# Altium PCB LimeSDR-X3_1v0.PcbDoc (part 5 of 25) (continued)
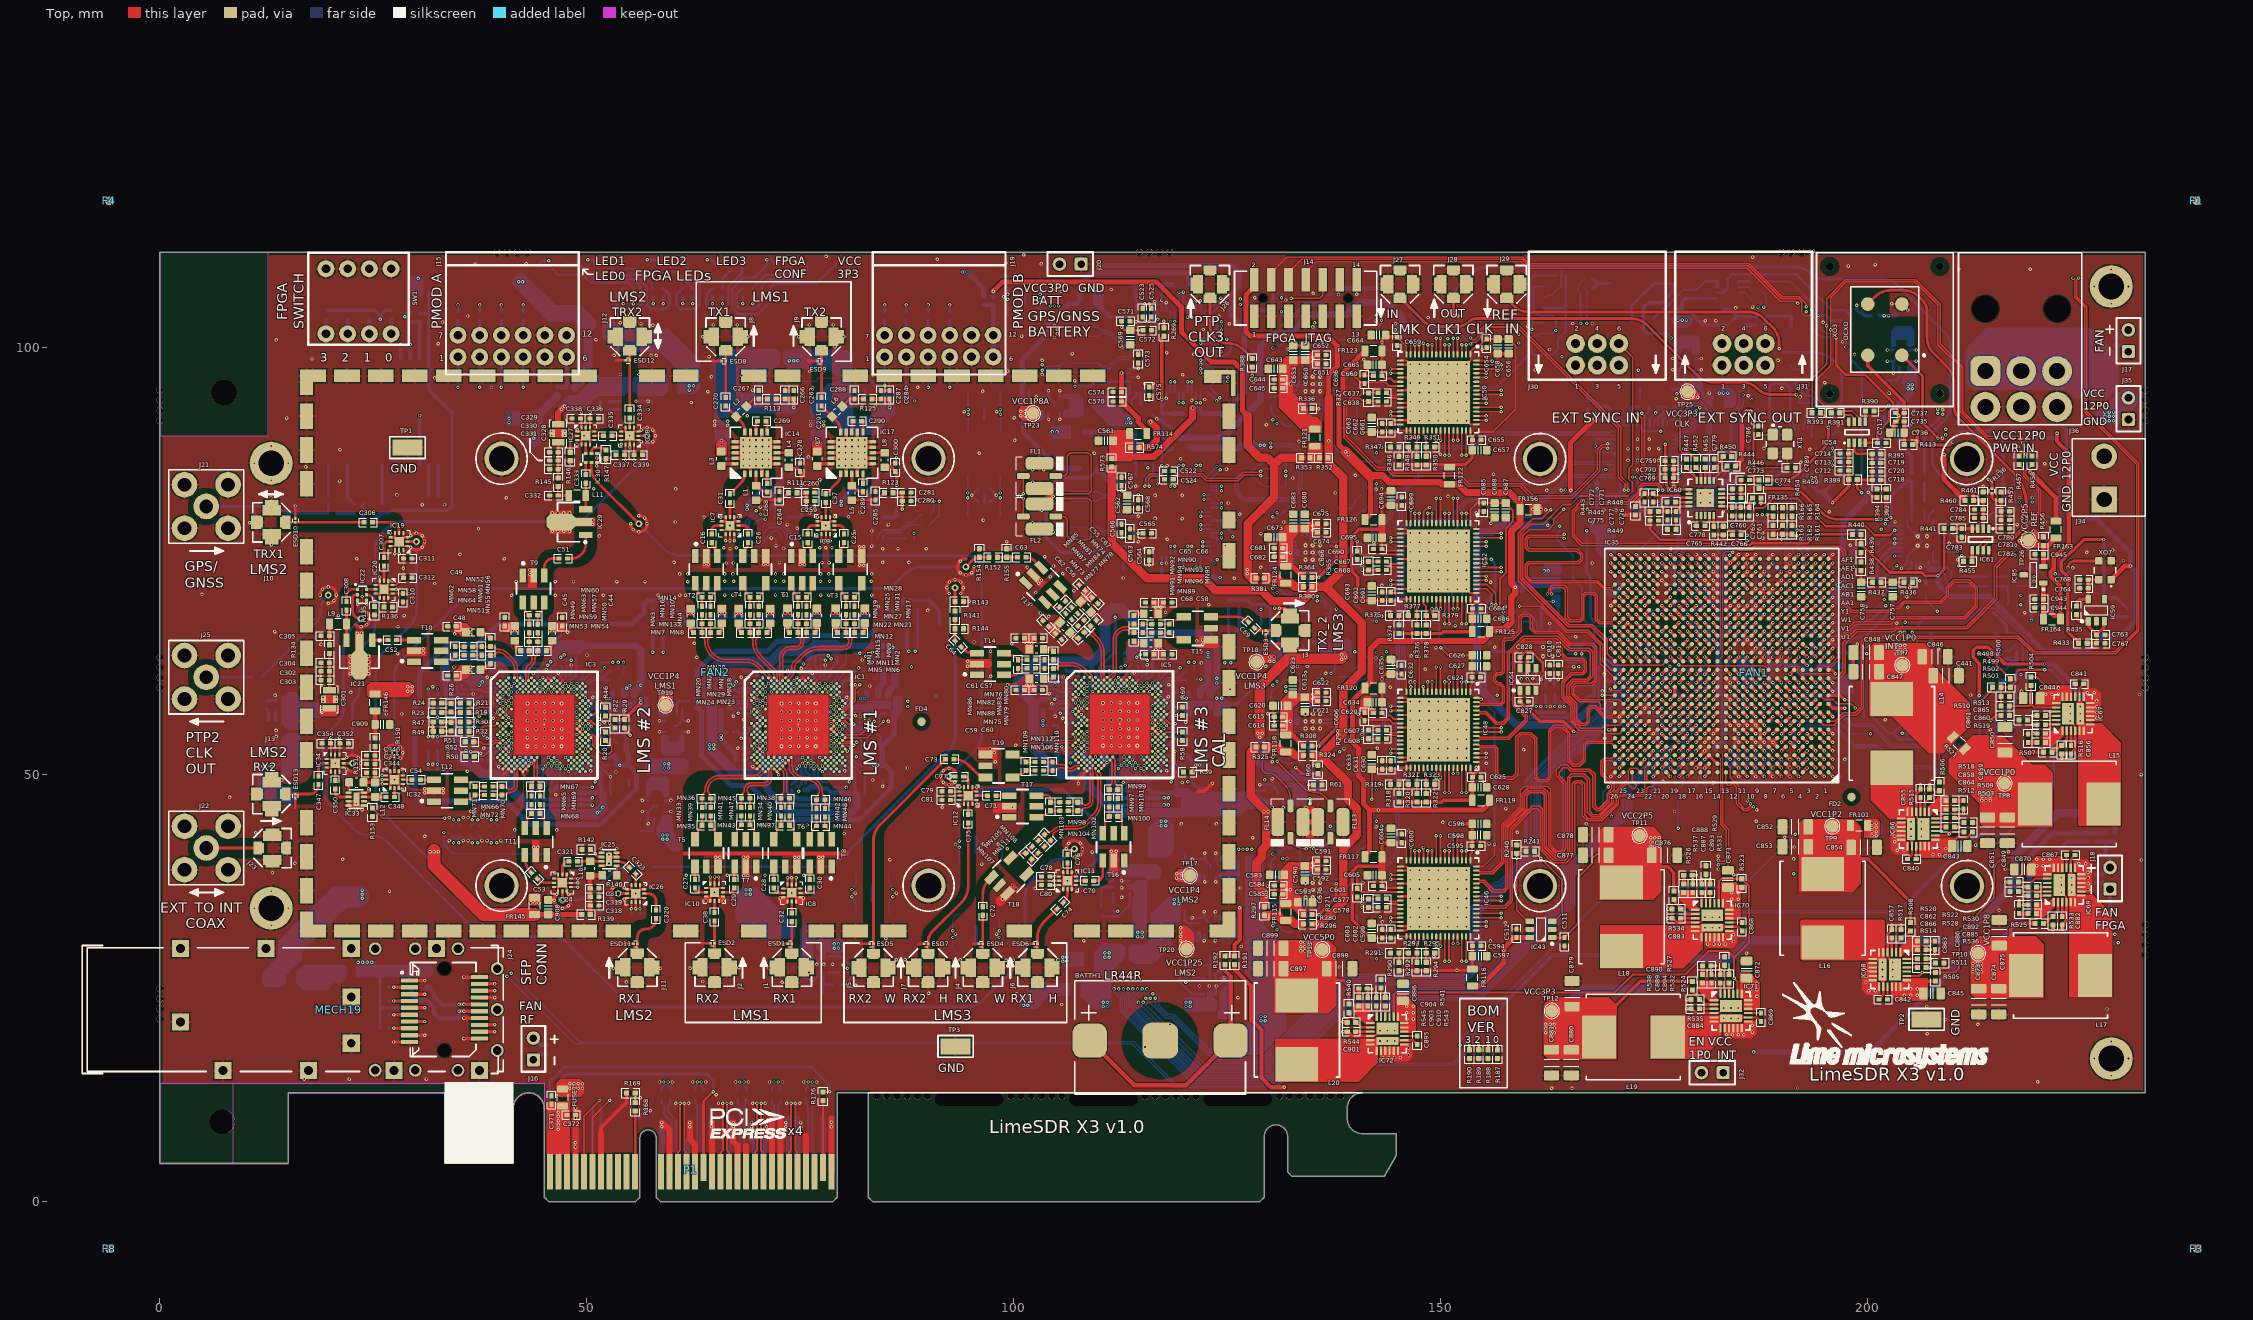
[diagram p0: Top view]
## Part data (continued)
IC43 IC64: Manufacturer="Texas Instruments", Manufacturer Part Number 1=SN74AVC1T45DBVR, Package / Case=SOT-23-6, Supplier Part Number 1=296-19094-1-ND, Voltage - Supply="1.2 V ~ 3.6 V", Category="Integrated Circuits (ICs)", Data Rate=500Mbps, Part Description="Voltage Level Translator Bidirectional 1 Circuit 1 Channel 500Mbps SOT-23-6", Supplier 1=Digi-Key
IC44 IC45: library part MAX5878EGK, Case/Package=QFN, Manufacturer=Maxim, Manufacturer Part Number 1=MAX5878EGK+D, Max Operating Temperature=85°C, Max Power Dissipation=331mW, Max Supply Voltage=3.465V, Min Operating Temperature=-40°C, Min Supply Voltage=3.135V, Package Quantity=30, Supplier Part Number 1=MAX5878EGK+D-ND, ComponentLink1Description=https://datasheet.ciiva.com/1399/max5878-1399152.pdf?src-supplier=Digi-Key, ComponentLink1URL=https://datasheet.ciiva.com/1399/max5878-1399152.pdf?src-supplier=Digi-Key, ComponentLink2Description=https://datasheet.ciiva.com/16604/max5878-16604848.pdf?src-supplier=Avnet+Europe, ComponentLink2URL=https://datasheet.ciiva.com/16604/max5878-16604848.pdf?src-supplier=Avnet+Europe, ComponentLink3Description=https://datasheet.ciiva.com/12285/max5878-106739-12285938.pdf?src-supplier=Mouser, ComponentLink3URL=https://datasheet.ciiva.com/12285/max5878-106739-12285938.pdf?src-supplier=Mouser, ComponentLink4Description=https://datasheet.ciiva.com/26805/max5878egk-d-26805730.pdf?src-supplier=IIIC, ComponentLink4URL=https://datasheet.ciiva.com/26805/max5878egk-d-26805730.pdf?src-supplier=IIIC, ComponentLink5Description=https://datasheet.ciiva.com/14250/max5878-14250858.pdf?src-supplier=Avnet, ComponentLink5URL=https://datasheet.ciiva.com/14250/max5878-14250858.pdf?src-supplier=Avnet, Conversion Rate=250MS/s, Integral Nonlinearity (INL)=3LSB, Interface=Parallel,LVDS, Mount="Surface Mount", Number of Bits=16, Number of Converters=2, Number of DAC Channels=2, Number of Pins=68, Packaging=Rail/Tube, Part Description="16 Bit Digital to Analog Converter 2 68-QFN-EP (10x10)", Pricing 1="1=23,84000, 10=21,99000, 25=21,00200, 100=20,44800 (USD)", Radiation Hardening=No, REACH SVHC=Unknown, Resolution=16b, RoHS=Yes, Sampling Rate=250000000S/s, Settling Time=14ns, Stock 1=52, Supplier 1=Digi-Key, Supply Type=Analog,Digital
IC46 IC48 IC50 IC52: "14-Bit 160 MSPS Dual Low Power ADC, -40 to 85 degC, 64-pin QFN (RGC64), Green (RoHS & no Sb/Br)", Analog Voltage AV/DD(Max)(V)=1.9, Analog Voltage AV/DD(Min)(V)=1.7, Manufacturer="Texas Instruments", Manufacturer Part Number 1=ADS4246IRGCT, Operating Temperature="-40°C ~ 85°C", Package / Case="64-VFQFN Exposed Pad", Supplier Device Package="64-VQFN (9x9)", Supplier Part Number 1=296-28772-1-ND, Voltage - Supply, Analog="1.7 V ~ 1.9 V", # Input Channels=2, Architecture=Pipelined, Category="Integrated Circuits (ICs)", ComponentLink1Description=http://www.ti.com/lit/ds/symlink/ads4246.pdf, ComponentLink1URL=http://www.ti.com/lit/ds/symlink/ads4246.pdf, ComponentLink2Description=Datasheet, ComponentLink2URL=http://www.ti.com/general/docs/lit/getliterature.tsp?genericPartNumber=ADS4246&fileType=pdf, ComponentLink3Description="Package Specification", ComponentLink3URL=http://www.ti.com/litv/pdf/mpqf125e, Configuration=S/H-ADC, Data Interface="LVDS - Parallel, Parallel", DatasheetVersion=SBAS533C, Digital Supply(Max)(V)=1.9, Digital Supply(Min)(V)=1.7, Eco-Plan="Green (RoHS & no Sb/Br)", ENOB(Bits)=11.5, Features="Simultaneous Sampling", INL(Max)(+/-LSB)=5, Input Type=Differential, Interface="Parallel CMOS, Parallel LVDS", Mounting Technology="Surface Mount", Number of A/D Converters=2, Number of Bits=14, Number of Inputs=2, PackageDescription="64-Pin Plastic Quad Flatpack No-Lead, Body 9 x 9 mm, Pitch 0.5 mm", PackageReference=RGC64-7400X7400TP, PackageVersion="4204106/F, 11/2011", Packaging="Cut Tape (CT)", Part Description="14 Bit Analog to Digital Converter 2 Input 2 Pipelined 64-VQFN (9x9)", PartNumber=ADS4246IRGCR, Part Status=Active, Pricing 1="1=95.91, 10=90.96, 100=82.2967 (USD)", Ratio - S/H:ADC=1:1, Reference Type=Internal, Resolution(Bits)=14, RoHS="RoHS Compliant", Sample Rate (max)(SPS)=160M, Sampling Rate (Per Second)=160M, SFDR(dB)=86, SINAD(dB)=72.6, SNR(dB)=72.8, Stock 1=83, SubFamily="High Speed ADC (>10MSPS)", Supplier 1=Digi-Key, Supplier 2=Mouser, Supplier Part Number 2=595-ADS8372IBRHPTG4, Voltage - Supply, Digital="1.7 V ~ 1.9 V"
IC47 IC49 IC51 IC53: Current - Input Bias=23µA, Current - Output / Channel=30mA, Current - Supply=34mA, Manufacturer="Analog Devices Inc.", Manufacturer Part Number 1=ADA4930-2YCPZ-R7, Operating Temperature="-40°C ~ 105°C", Package / Case="24-VFQFN Exposed Pad, CSP", Supplier Device Package="24-LFCSP-VQ (4x4)", Supplier Part Number 1=ADA4930-2YCPZ-R7CT-ND, Voltage - Input Offset=150µV, Voltage - Supply, Single/Dual (±)="3.3V, 5V", -3db Bandwidth=1.35GHz, Amplifier Type=Differential, Category="Integrated Circuits (ICs)", Gain Bandwidth Product=-, Mounting Type="Surface Mount", Number of Circuits=2, Output Type=Differential, Packaging="Cut Tape (CT)", Part Description="Differential Amplifier 2 Circuit Differential 24-LFCSP-WQ (4x4)", RoHS="RoHS Compliant", Slew Rate="3400 V/µs", Supplier 1=Digi-Key
IC55: library part CDCM61004RHB_CLK_GEN, Case/Package=VQFN, Frequency=683.28MHz, Input Current=200mA, Manufacturer="Texas Instruments", Manufacturer Part Number 1=CDCM61004RHBT, Max Frequency=683.27MHz, Max Operating Temperature=85°C, Max Supply Current=65mA, Max Supply Voltage=3.6V, Min Operating Temperature=-40°C, Min Supply Voltage=3V, Nominal Supply Current=215mA, Operating Supply Current=108mA, Operating Supply Voltage=3.3V, Package Quantity=1, Supplier Part Number 1=296-24194-1-ND, ComponentLink1Description=https://datasheet.ciiva.com/6677/cdcm61004-6677168.pdf?src-supplier=Digi-Key, ComponentLink1URL=https://datasheet.ciiva.com/6677/cdcm61004-6677168.pdf?src-supplier=Digi-Key, ComponentLink2Description=https://datasheet.ciiva.com/14247/cdcm61004-14247059.pdf?src-supplier=Avnet, ComponentLink2URL=https://datasheet.ciiva.com/14247/cdcm61004-14247059.pdf?src-supplier=Avnet, ComponentLink3Description=https://datasheet.ciiva.com/1138/1781794-1138868.pdf?src-supplier=Element14, ComponentLink3URL=https://datasheet.ciiva.com/1138/1781794-1138868.pdf?src-supplier=Element14, ComponentLink4Description=https://datasheet.ciiva.com/26033/cdcm61004-26033080.pdf?src-supplier=Avnet+Europe, ComponentLink4URL=https://datasheet.ciiva.com/26033/cdcm61004-26033080.pdf?src-supplier=Avnet+Europe, ComponentLink5Description=https://datasheet.ciiva.com/14247/cdcm61004-14247241.pdf?src-supplier=Avnet, ComponentLink5URL=https://datasheet.ciiva.com/14247/cdcm61004-14247241.pdf?src-supplier=Avnet, ComponentLink6Description=https://datasheet.ciiva.com/46396/1781794-46396315.pdf?src-supplier=Element14, ComponentLink6URL=https://datasheet.ciiva.com/46396/1781794-46396315.pdf?src-supplier=Element14, ComponentLink7Description=https://datasheet.ciiva.com/1141/cdcm61004-1141260.pdf?src-supplier=Farnell, ComponentLink7URL=https://datasheet.ciiva.com/1141/cdcm61004-1141260.pdf?src-supplier=Farnell, ComponentLink8Description=https://datasheet.ciiva.com/15153/getdatasheetpartid-226426-15153388.pdf?src-supplier=Verical, ComponentLink8URL=https://datasheet.ciiva.com/15153/getdatasheetpartid-226426-15153388.pdf?src-supplier=Verical, ComponentLink9Description=https://datasheet.ciiva.com/46433/1781794-46433420.pdf?src-supplier=Element14, ComponentLink9URL=https://datasheet.ciiva.com/46433/1781794-46433420.pdf?src-supplier=Element14, ComponentLink10Description=https://datasheet.ciiva.com/1200/cdcm61004-1200223.pdf?src-supplier=Digi-Key, ComponentLink10URL=https://datasheet.ciiva.com/1200/cdcm61004-1200223.pdf?src-supplier=Digi-Key, Contact Plating=Gold, Height=0.8mm, Input=Crystal, Lead Free="Lead Free", Length=5mm, Mount="Surface Mount", Number of Circuits=1, Number of Elements=1, Number of Outputs=4, Number of Pins=32, Packaging="Tape and Reel", Part Description="Clock Generator IC 683.27MHz 32-VFQFN Exposed Pad", Pricing 1="1=9,06000, 10=8,18800, 25=7,80760, 100=6,77930 (USD)", Radiation Hardening=No, REACH SVHC="No SVHC", RoHS=Yes, RoHS Compliant=Yes, Stock 1=1415, Supplier 1=Digi-Key, Termination=SMD/SMT, Weight=0.002547oz, Width=5mm
IC56: library part LP5951_LDO, Case/Package=SOT-23, Dropout Voltage=200mV, Manufacturer="TI National Semiconductor", Manufacturer Part Number 1=LP5951MF-3.0/NOPB, Max Input Voltage=5.5V, Max Operating Temperature=125°C, Max Output Current=150mA, Max Output Voltage=3.7V, Min Input Voltage=1.8V, Min Operating Temperature=-40°C, Min Output Voltage=1.3V, Nominal Output Voltage=3V, Output Voltage Accuracy=2%, Package Quantity=1000, Quiescent Current=55uA, Supplier Part Number 1=LP5951MF-3.0/NOPBCT-ND, Accuracy=2%, Assembly Info=NF, ComponentLink1Description=https://datasheet.ciiva.com/15111/getdatasheetpartid-86470-15111508.pdf?src-supplier=Verical, ComponentLink1URL=https://datasheet.ciiva.com/15111/getdatasheetpartid-86470-15111508.pdf?src-supplier=Verical, ComponentLink2Description=https://datasheet.ciiva.com/6598/lp5951-6598089.pdf?src-supplier=Digi-Key, ComponentLink2URL=https://datasheet.ciiva.com/6598/lp5951-6598089.pdf?src-supplier=Digi-Key, ComponentLink3Description=https://datasheet.ciiva.com/6598/lp5951-6598090.pdf?src-supplier=Digi-Key, ComponentLink3URL=https://datasheet.ciiva.com/6598/lp5951-6598090.pdf?src-supplier=Digi-Key, ComponentLink4Description=https://datasheet.ciiva.com/6598/lp5951-6598091.pdf?src-supplier=Digi-Key, ComponentLink4URL=https://datasheet.ciiva.com/6598/lp5951-6598091.pdf?src-supplier=Digi-Key, ComponentLink5Description=https://datasheet.ciiva.com/48777/1772311-48777743.pdf?src-supplier=Element14, ComponentLink5URL=https://datasheet.ciiva.com/48777/1772311-48777743.pdf?src-supplier=Element14, Height=1.02mm, Lead Free="Lead Free", Length=2.92mm, Max Supply Voltage=5.5V, Min Supply Voltage=1.8V, Mount="Surface Mount", Number of Outputs=1, Number of Pins=5, Output Current=150mA, Output Type=Fixed,Adjustable, Output Voltage=3V, Packaging="Tape and Reel", Part Description="Linear Voltage Regulator IC Output 150mA SOT-23-5", Polarity=Positive, Pricing 1="1=0,80000, 10=0,70000, 25=0,65720, 100=0,53640, 250=0,49820, 500=0,42400 (USD)", Radiation Hardening=No, REACH SVHC="No SVHC", RoHS=Yes, RoHS Compliant=Yes, Stock 1=8756, Supplier 1=Digi-Key, Termination=SMD/SMT, Width=1.6mm
IC58 IC62: Frequency - Max=200MHz, Manufacturer="Texas Instruments", Manufacturer Part Number 1=LMK00101SQE/NOPB, Operating Temperature="-40°C ~ 85°C", Package / Case="32-WFQFN Exposed Pad", Supplier Device Package="32-WQFN (5x5)", Supplier Part Number 1=296-39036-1-ND, Voltage - Supply="2.375 V ~ 3.45 V", Category="Integrated Circuits (ICs)", Differential - Input:Output=Yes/No, Input="HCSL, LVCMOS, LVDS, LVPECL, LVTTL, SSTL, Crystal", Mounting Type="Surface Mount", Number of Circuits=1, Output="LVCMOS, LVTTL", Packaging="Cut Tape (CT)", Part Description="Clock Fanout Buffer (Distribution), Multiplexer, Translator IC 200MHz 32-WFQFN Exposed Pad", Ratio - Input:Output=3:10, RoHS="RoHS Compliant", Supplier 1=Digi-Key, Type="Fanout Buffer (Distribution), Multiplexer, Translator"
IC59: library part LP5907, Case/Package=SOT-23-5, Dropout Voltage=50mV, Manufacturer="Texas Instruments", Manufacturer Part Number 1=LP5907QMFX-3.0Q1, Max Input Voltage=5.5V, Max Operating Temperature=125°C, Max Output Current=250mA, Min Input Voltage=2.2V, Min Operating Temperature=-40°C, Output Voltage=3V, Quiescent Current=425uA, Supplier Part Number 1=296-40364-1-ND, Accuracy=2%, Assembly Info=NF, ComponentLink1Description=https://datasheet.ciiva.com/48677/lp5907-q1-48677562.pdf?src-supplier=Avnet, ComponentLink1URL=https://datasheet.ciiva.com/48677/lp5907-q1-48677562.pdf?src-supplier=Avnet, Lead Free="Lead Free", Mount="Surface Mount", Number of Outputs=1, Number of Regulators=1, Output Current=250mA, Output Type=Fixed, Packaging="Tape and Reel", Part Description="Linear Voltage Regulator IC Positive Fixed 1 Output  250mA SOT-23-5", Polarity=Positive, Pricing 1="1 = 0,65000, 10 = 0,56000, 100 = 0,41820, 500 = 0,32858, 1000 = 0,25390 (USD)", Radiation Hardening=No, RoHS=Yes, Stock 1=90911, Supplier 1=Digi-Key
IC60: Manufacturer="Analog Devices Inc", Manufacturer Part Number 1=ADF4002BCPZ-RL7, Operating Temperature="-40°C ~ 85°C", Package / Case="20-VFQFN Exposed Pad, CSP", Supplier Part Number 1=ADF4002BCPZ-RL7CT-ND, Voltage - Supply="2.7 V ~ 3.3 V", Category="Integrated Circuits (ICs)", Differential - Input:Output=Yes/No, Input="CMOS, TTL", Mounting Type="Surface Mount", Part Description="IC PLL FREQUENCY SYNTH 20-LFCSP", Ratio - Input:Output=2:1, Supplier=Digi-Key, Supplier 1=Digi-Key, Type="Clock/Frequency Synthesizer (RF), Phase Detector"
IC63: Case/Package=VQFN, Manufacturer="Texas Instruments", Max Frequency=800MHz, Max Operating Temperature=85°C, Min Operating Temperature=-40°C, Supplier Part Number 1=296-51011-1-ND, ComponentLink1Description=http://www.ti.com/lit/ds/symlink/cdcm6208v2g.pdf?src-supplier=Digi-Key, ComponentLink1URL=http://www.ti.com/lit/ds/symlink/cdcm6208v2g.pdf?src-supplier=Digi-Key, ComponentLink2Description=http://www.ti.com/lit/gpn/cdcm6208v2g?src-supplier=Mouser, ComponentLink2URL=http://www.ti.com/lit/gpn/cdcm6208v2g?src-supplier=Mouser, Input=Crystal, Lead Free="Lead Free", Manufacturer Part Number 1=CDCM6208V2GRGZR, Mount="Surface Mount", Number of Circuits=1, Number of Outputs=8, Packaging="Tape and Reel", Part Description="IC CLK GEN 2:8 LOW JITTER 48VQFN", Pricing 1="1 = 11,22000, 10 = 10,13400, 100 = 8,38960, 500 = 7,30558, 1000 = 6,36293 (USD)", RoHS=Yes, Stock 1=1501, Supplier 1=Digi-Key
IC65: Driver Case Style=SOT-23, Manufacturer="TEXAS INSTRUMENTS", Manufacturer Part Number 1=SN65LVDS1DBVR, Supplier Part Number 1=76C0715, Supply Voltage Max=3.6, Supply Voltage Min=2.4, No. of Pins=5, Part Description="DIFFERENTIAL LINE DRIVER/RECEIVER SIGNAL SOT23-5", Supplier 1=Newark
IC66 IC67 IC68 IC69 IC70 IC71 IC72: Current - Output=6A, Frequency - Switching="200kHz ~ 1.4MHz", Manufacturer="Analog Devices Inc.", Manufacturer Part Number 1=ADP2386ACPZN-R7, Operating Temperature="-40°C ~ 125°C (TJ)", Package / Case="24-WFQFN Exposed Pad, CSP", Supplier Device Package="24-LFCSP-WQ (4x4)", Supplier Part Number 1=ADP2386ACPZN-R7DKR-ND, Voltage - Input (Max)=20V, Voltage - Input (Min)=4.5V, Voltage - Output (Max)=18V, Voltage - Output (Min/Fixed)=0.6V, Category="Integrated Circuits (ICs)", Function=Step-Down, Mounting Type="Surface Mount", Number of Outputs=1, Output Configuration=Positive, Output Type=Adjustable, Packaging=Digi-Reel®, Part Description="Buck Switching Regulator IC Positive Adjustable 0.6V 1 Output 6A 24-WFQFN Exposed Pad, CSP", RoHS="RoHS Compliant", Supplier 1=Digi-Key, Synchronous Rectifier=Yes, Topology=Buck
IC73 IC74 IC75: Current - Output (Max)=1A, Manufacturer="Texas Instruments", Manufacturer Part Number 1=LMZ10501SILR, Operating Temperature="-40°C ~ 125°C", Package / Case="8-LDFN Exposed Pad, Module", Supplier Device Package=8-uSIP, Supplier Part Number 1=296-37104-1-ND, Voltage - Input (Max)=5.5V, Voltage - Input (Min)=2.7V, Voltage - Output 1="0.6 ~ 3.6 V", Voltage - Output 2=-, Applications="ITE (Commercial)", Category="Power Supplies - Board Mount", ComponentLink1Description=http://www.ti.com/lit/ds/symlink/lmz10501.pdf, ComponentLink1URL=http://www.ti.com/lit/ds/symlink/lmz10501.pdf, Efficiency=95%, Features="OCP, OTP, UVLO", Mounting Type="Surface Mount", Packaging="Cut Tape (CT)", Part Description="n  Non-Isolated PoL Module DC DC Converter 1 Output 0.6 ~ 3.6 V 1A 2.7V - 5.5V Input", Part Status=Active, Pricing 1="1=2.46, 5=2.424, 10=2.388, 25=2.318, 50=2.2478, 100=2.1776, 250=2.1074, 500=1.96688 (USD)", RoHS="RoHS Compliant", Size / Dimension="0.12\" L x 0.10\" W x 0.03\" H (3.0mm x 2.5mm x 0.7mm)", Stock 1=26559, Supplier 1=Digi-Key, Type="Non-Isolated PoL Module", Voltage - Output 3=-
IC76 IC77 IC78 IC79 IC80 IC81 IC82 IC83 IC84: library part AP7361, Current - Limit (Min)=1.1A, Current - Output=1A, Manufacturer="Diodes Incorporated", Manufacturer Part Number 1=AP7361-FGE-7, Operating Temperature="-40°C ~ 85°C", Package / Case="8-UDFN Exposed Pad", Supplier Device Package=U-DFN3030-8, Supplier Part Number 1=AP7361-FGE-7DICT-ND, Voltage - Dropout (Typical)="0.5V @ 1A", Voltage - Input="2.2 V ~ 6 V", Voltage - Output="0.8 V ~ 5.5 V", Category="Integrated Circuits (ICs)", Mounting Type="Surface Mount", Number of Regulators=1, Packaging="Cut Tape (CT)", Part Description="IC REG LDO ADJ 1A 8DFN", Regulator Topology="Positive Adjustable", RoHS="RoHS Compliant", Supplier 1=Digi-Key
IC85: library part MCP1525T-I/TT, "2.5V Voltage Reference, 3-Pin SOT-23, Industrial Temperature, Tape and Reel", Current - Cathode=-, Current - Output=2mA, Current - Supply=120µA, Manufacturer="Microchip Technology", Operating Temperature="-40°C ~ 85°C (TA)", Package / Case="TO-236-3, SC-59, SOT-23-3", Supplier Device Package=SOT-23-3, Supplier Part Number 1=MCP1525T-I/TTDKR-ND, Temperature Coefficient=50ppm/°C, Tolerance=±1%, Voltage - Input="2.7 V ~ 5.5 V", Voltage - Output (Min/Fixed)=2.5V, Category="Integrated Circuits (ICs)", ComponentLink1Description=http://www.microchip.com/mymicrochip/filehandler.aspx?ddocname=en011331, ComponentLink1URL=http://www.microchip.com/mymicrochip/filehandler.aspx?ddocname=en011331, Manufacturer Part Number 1=MCP1525T-I/TT, Mounting Type="Surface Mount", Noise - 0.1Hz to 10Hz=90µVp-p, Noise - 10Hz to 10kHz=500µVrms, Output Type=Fixed, PackageDescription="Series Voltage Reference IC ±1% 2mA SOT-23-3", Packaging=Digi-Reel®, Part Description="Series Voltage Reference IC ±1% 2mA SOT-23-3", Part Status=Active, Pricing 1="1=0.77, 25=0.64, 100=0.58 (USD)", Reference Type=Series, RoHS="RoHS Compliant", Stock 1=16612, Supplier 1=Digi-Key, Voltage - Output (Max)=-
J1 J2 J3 J4 J5 J6 J7 J8 J9 J10 J11 J12 J13: library part RF_IF_connector, "CONN UMC RCPT STR 50 OHM SMD", Case/Package=908, Dielectric Material=Polymer, Frequency=6GHz, Housing Color=Black, Insulation Resistance=500MR, Manufacturer="Amphenol RF", Manufacturer Part Number 1=908-22101T, Max Operating Temperature=155°C, Min Operating Temperature=-40°C, Operating Frequency="0 to 6 GHz", Package Quantity=1, Supplier Part Number 1=ARF1725CT-ND, Body Material=Copper,Brass, Body Plating=Gold, Center Contact Plating=Gold, ComponentLink1Description=https://datasheet.ciiva.com/5177/c908-22101t-37976-5177328.pdf?src-supplier=Mouser, ComponentLink1URL=https://datasheet.ciiva.com/5177/c908-22101t-37976-5177328.pdf?src-supplier=Mouser, ComponentLink2Description=https://datasheet.ciiva.com/643/c908-22101t-643558.pdf?src-supplier=Digi-Key, ComponentLink2URL=https://datasheet.ciiva.com/643/c908-22101t-643558.pdf?src-supplier=Digi-Key, ComponentLink3Description=https://datasheet.ciiva.com/7662/1636995-7662651.pdf?src-supplier=Element14, ComponentLink3URL=https://datasheet.ciiva.com/7662/1636995-7662651.pdf?src-supplier=Element14, ComponentLink4Description=https://datasheet.ciiva.com/5689/c908-22101t-5689787.pdf?src-supplier=Farnell, ComponentLink4URL=https://datasheet.ciiva.com/5689/c908-22101t-5689787.pdf?src-supplier=Farnell, ComponentLink5Description=https://datasheet.ciiva.com/7996/691284-7996807.pdf?src-supplier=Element14, ComponentLink5URL=https://datasheet.ciiva.com/7996/691284-7996807.pdf?src-supplier=Element14, ComponentLink6Description=https://datasheet.ciiva.com/643/c908-22101t-643559.pdf?src-supplier=Digi-Key, ComponentLink6URL=https://datasheet.ciiva.com/643/c908-22101t-643559.pdf?src-supplier=Digi-Key, ComponentLink7Description=https://datasheet.ciiva.com/643/c908-22101t-643560.pdf?src-supplier=Digi-Key, ComponentLink7URL=https://datasheet.ciiva.com/643/c908-22101t-643560.pdf?src-supplier=Digi-Key, Connector Type=MMCX,Coaxial, Contact Material=Copper, Contact Plating=Gold, Depth=4.32mm, Fastening Type=SNAP-ON, Gender=Female, Impedance=50R, Insulation Material=Polymer, Length=4.32mm, Mating Cycles=500, Max Frequency=6GHz, Mount="Surface Mount,PCB", Orientation=Straight, Packaging="Tape and Reel", Part Description="MMCX Connector Jack, Female Socket 50Ohm Surface Mount Solder", Plating=Gold, Polarity=Standard, Pricing 1="1=6,18000, 10=5,60700, 25=5,31040, 50=5,18700, 100=4,94000, 250=4,32248, 500=4,19900 (USD)", Radiation Hardening=No, REACH SVHC=Unknown, RoHS=Yes, Series=MicroMate™, Stock 1=6928, Supplier 1=Digi-Key, Termination=Solder
J14: library part MOLEX_CONNECTOR_0878321420, "Male Header, Pitch 2 mm, 2 x 7 Position, Height 7.6 mm, -55 to 105 degC, RoHS", Color=Black, Current Rating=2A, Flammability Rating="UL94 V-0", Insulation Resistance=1GR, Manufacturer=Molex, Manufacturer Part Number 1=87832-1420, Max Operating Temperature=105°C, Min Operating Temperature=-55°C, Package Quantity=3200, Supplier Part Number 1=WM18641-ND, Voltage Rating=125V, ComponentLink1Description=https://datasheet.ciiva.com/5151/0878321420-pcb-headers-176595-5151942.pdf?src-supplier=Mouser, ComponentLink1URL=https://datasheet.ciiva.com/5151/0878321420-pcb-headers-176595-5151942.pdf?src-supplier=Mouser, ComponentLink2Description=https://datasheet.ciiva.com/30118/0878321420-pcb-headers-30118102.pdf?src-supplier=Onlinecomponents.com, ComponentLink2URL=https://datasheet.ciiva.com/30118/0878321420-pcb-headers-30118102.pdf?src-supplier=Onlinecomponents.com, ComponentLink3Description=https://datasheet.ciiva.com/11746/0900766b80d68d6a-11746394.pdf?src-supplier=RSComponents, ComponentLink3URL=https://datasheet.ciiva.com/11746/0900766b80d68d6a-11746394.pdf?src-supplier=RSComponents, ComponentLink4Description=https://datasheet.ciiva.com/7814/1625645-7814923.pdf?src-supplier=Element14, ComponentLink4URL=https://datasheet.ciiva.com/7814/1625645-7814923.pdf?src-supplier=Element14, ComponentLink5Description=https://datasheet.ciiva.com/27055/1934622-27055085.pdf?src-supplier=Jameco, ComponentLink5URL=https://datasheet.ciiva.com/27055/1934622-27055085.pdf?src-supplier=Jameco, ComponentLink6Description=https://datasheet.ciiva.com/1103/1739253-1103569.pdf?src-supplier=Element14, ComponentLink6URL=https://datasheet.ciiva.com/1103/1739253-1103569.pdf?src-supplier=Element14, ComponentLink7Description=https://datasheet.ciiva.com/18453/70090647-18453733.pdf?src-supplier=Allied+Electronics, ComponentLink7URL=https://datasheet.ciiva.com/18453/70090647-18453733.pdf?src-supplier=Allied+Electronics, ComponentLink8Description=https://datasheet.ciiva.com/6168/1597333-6168907.pdf?src-supplier=Farnell, ComponentLink8URL=https://datasheet.ciiva.com/6168/1597333-6168907.pdf?src-supplier=Farnell, Contact Material=Brass, Contact Plating=Gold, Gender=Male, Glow Wire Compliant=Non-compliant, Housing Color=Black, Housing Material=Thermoplastic, Lead Free="Lead Free", Mount="Surface Mount", Number of Circuits=14, Number of Contacts=14, Number of Positions=14, Number of Rows=2, Orientation=Vertical, Packaging=Rail/Tube, Part Description="Connector Header Surface Mount 14 position 0.079\" (2.00mm)", Pitch=2mm, Pricing 1="1 = 1,83000, 10 = 1,66000, 100 = 1,42280, 500 = 1,18562, 3200 = 0,94850, 6400 = 0,90108 (USD)", Radiation Hardening=No, REACH SVHC="No SVHC", RoHS=Yes, Shrouded="Yes (With)", Stock 1=62479, Supplier 1=Digi-Key, Termination=SMD/SMT, Voltage Rating (DC)=125V
J15 J19: library part PMOD_connector, "Header, 4-Pin, Dual row", Color=Black, Manufacturer="Sullins Connector Solutions", Manufacturer Part Number 1=PPPC062LJBN-RC, Supplier Part Number 1=S5559-ND, Category="Connectors, Interconnects", Connector Type=Header, Contact Finish=Gold, Contact Finish Thickness=Flash, Contact Type="Female Socket", Fastening Type=-, Features=-, Mounting Type="Through Hole, Right Angle", Number of Positions=12, Number of Positions Loaded=All, Number of Rows=2, Packaging=Bulk, Part Description="12 Position Header Connector 0.100\" (2.54mm) Through Hole, Right Angle Gold", Pitch="0.100\" (2.54mm)", RoHS="RoHS Compliant", Row Spacing="0.100\" (2.54mm)", Supplier 1=Digi-Key, Termination=Solder
J16 J17 J18 J32 J35: library part Jumper, Color=Black, Current Rating=3A, Manufacturer="Wurth Electronics", Manufacturer Part Number 1=61300211121, Max Operating Temperature=125°C, Min Operating Temperature=-40°C, Supplier Part Number 1=732-5315-ND, Voltage Rating=250V, ComponentLink1Description=https://cdn.harwin.com/pdfs/60page148.pdf, ComponentLink1URL=https://cdn.harwin.com/pdfs/60page148.pdf, ComponentLink2Description=https://www.verical.com/server-webapp/html/getDatasheet?partID=384167, ComponentLink2URL=https://www.verical.com/server-webapp/html/getDatasheet?partID=384167, ComponentLink3Description=http://www.harwin.com/include/downloads/drawings/M20-996.PDF, ComponentLink3URL=http://www.harwin.com/include/downloads/drawings/M20-996.PDF, ComponentLink4Description=https://datasheet.ciiva.com/13619/6130xx11121-48870-13619345.pdf?src-supplier=Mouser, ComponentLink4URL=https://datasheet.ciiva.com/13619/6130xx11121-48870-13619345.pdf?src-supplier=Mouser, Connector Type="Male Pin", Contact Gender=Male, Contact Material="Copper Alloy,Copper", Contact Mating Length=0.236inch, Contact Plating=Gold, Gender=Male, Housing Material=PBT, Lead Free="Lead Free", Mount="Through Hole", Number of Contacts=2, Number of Positions=2, Number of Rows=1, Packaging=Bulk, Part Description="Connector Header Through Hole 2 position 0.100\" (2.54mm)", Pitch=0.1inch, Pricing 1="1=0,13000, 10=0,10600, 25=0,08800, 50=0,07400, 100=0,06700, 1000=0,06100 (USD)", REACH SVHC=Unknown, RoHS=Yes, Stock 1=145436, Supplier 1=Digi-Key, Termination="Through Hole"
  J32: Assembly Info=NF
J20: library part Jumper, Color=Black, Manufacturer=3M, Manufacturer Part Number 1=961102-6404-AR, Supplier Part Number 1=3M9447-ND, Assembly Info=NF, Category="Connectors, Interconnects", Connector Type="Header, Unshrouded", Contact Finish=Gold, Contact Type="Male Pin", Mounting Type="Through Hole", Part Description="2 Positions Header, Unshrouded Connector 0.100\" (2.54mm) Through Hole Gold", Supplier 1=Digi-Key
J21 J22 J25: library part RF_IF_connector, "CONN SMA JACK STR 50OHM EDGE MNT", Manufacturer=Linx, Manufacturer Part Number 1=CONSMA002-L-G, Supplier Part Number 1=CONSMA002-L-G-ND, Part Description="SMA Connector Receptacle, Female Socket 50Ohm Panel Mount, Through Hole, Right Angle Solder", Pricing 1="1=4.08, 25=3.67, 100=3.32, 250=3.25, 500=3, 1000=2.80001, 2000=2.5875 (USD)", Stock 1=815, Supplier 1=Digi-Key
J23 J26 J27 J28 J29: library part RF_IF_connector, "CONN UMC RCPT STR 50 OHM SMD", Dielectric Material="Liquid Crystal Polymer (LCP)", Frequency - Max=6GHz, Housing Color=Silver, Manufacturer="Molex, LLC", Manufacturer Part Number 1=0734120110, Operating Temperature="-40°C ~ 90°C", Supplier Part Number 1=WM5587CT-ND, Voltage Rating=60V, Body Finish=Nickel, Body Material="Phosphor Bronze", Cable Group=-, Category="Connectors, Interconnects", Center Contact Material=Brass, Center Contact Plating=Gold, Connector Style="Ultra Miniature Coaxial", Connector Type="Jack, Male Pin", Contact Termination=Solder, Fastening Type=Snap-On, Features=-, Impedance="50 Ohm", Ingress Protection=-, Mounting Type="Surface Mount", Packaging="Cut Tape (CT)", Part Description="CONN UMC RCPT STR 50 OHM SMD", RoHS="RoHS Compliant", Shield Termination=Solder, Supplier 1=Digi-Key
J24: library part SFPx1_Connector, Color=Black, Flammability Rating="UL94 V-0", Manufacturer="TE Connectivity", Max Operating Temperature=85°C, Max Voltage Rating (AC)=120V, Min Operating Temperature=-55°C, Package Quantity=480, Supplier Part Number 1=A97430CT-ND, ComponentLink1Description=https://datasheet.ciiva.com/689/eng-cd-1367073-k-689473.pdf?src-supplier=Digi-Key, ComponentLink1URL=https://datasheet.ciiva.com/689/eng-cd-1367073-k-689473.pdf?src-supplier=Digi-Key, ComponentLink2Description=https://datasheet.ciiva.com/26824/getdatasheetpartid-111150-26824248.pdf?src-supplier=Verical, ComponentLink2URL=https://datasheet.ciiva.com/26824/getdatasheetpartid-111150-26824248.pdf?src-supplier=Verical, ComponentLink3Description=https://datasheet.ciiva.com/16314/eng-cs-1773408-1-pluggable-ixo-solutions-sfp-0409-16314846.pdf?src-supplier=Future+Electronics, ComponentLink3URL=https://datasheet.ciiva.com/16314/eng-cs-1773408-1-pluggable-ixo-solutions-sfp-0409-16314846.pdf?src-supplier=Future+Electronics, ComponentLink4Description=https://datasheet.ciiva.com/14159/1367073-eng-tds-14159446.pdf?src-supplier=Distrelec, ComponentLink4URL=https://datasheet.ciiva.com/14159/1367073-eng-tds-14159446.pdf?src-supplier=Distrelec, ComponentLink5Description=https://datasheet.ciiva.com/11757/0900766b80db5732-11757313.pdf?src-supplier=RSComponents, ComponentLink5URL=https://datasheet.ciiva.com/11757/0900766b80db5732-11757313.pdf?src-supplier=RSComponents, ComponentLink6Description=https://datasheet.ciiva.com/1099/1509426-1099442.pdf?src-supplier=Newark, ComponentLink6URL=https://datasheet.ciiva.com/1099/1509426-1099442.pdf?src-supplier=Newark, ComponentLink7Description=https://datasheet.ciiva.com/689/eng-cd-1367073-k-689475.pdf?src-supplier=Digi-Key, ComponentLink7URL=https://datasheet.ciiva.com/689/eng-cd-1367073-k-689475.pdf?src-supplier=Digi-Key, ComponentLink8Description=https://datasheet.ciiva.com/1098/1650946-1098067.pdf?src-supplier=Element14, ComponentLink8URL=https://datasheet.ciiva.com/1098/1650946-1098067.pdf?src-supplier=Element14, ComponentLink9Description=https://datasheet.ciiva.com/3138/eng-cs-1773408-1-pluggable-ixo-solutions-sfp-0409-3138613.pdf?src-supplier=Avnet, ComponentLink9URL=https://datasheet.ciiva.com/3138/eng-cs-1773408-1-pluggable-ixo-solutions-sfp-0409-3138613.pdf?src-supplier=Avnet, ComponentLink10Description=https://datasheet.ciiva.com/3138/eng-cs-1773408-1-pluggable-ixo-solutions-sfp-0409-3138614.pdf?src-supplier=Avnet, ComponentLink10URL=https://datasheet.ciiva.com/3138/eng-cs-1773408-1-pluggable-ixo-solutions-sfp-0409-3138614.pdf?src-supplier=Avnet, ComponentLink11Description=https://datasheet.ciiva.com/689/eng-cd-1367073-k-689474.pdf?src-supplier=Digi-Key, ComponentLink11URL=https://datasheet.ciiva.com/689/eng-cd-1367073-k-689474.pdf?src-supplier=Digi-Key, ComponentLink12Description=https://datasheet.ciiva.com/46391/1794467-46391366.pdf?src-supplier=Element14, ComponentLink12URL=https://datasheet.ciiva.com/46391/1794467-46391366.pdf?src-supplier=Element14, ComponentLink13Description=https://datasheet.ciiva.com/28795/1759364-28795367.pdf?src-supplier=Element14, ComponentLink13URL=https://datasheet.ciiva.com/28795/1759364-28795367.pdf?src-supplier=Element14, ComponentLink14Description=https://datasheet.ciiva.com/30155/eng-cs-1773408-1-pluggable-ixo-solutions-sfp-0409-30155864.pdf?src-supplier=Onlinecomponents.com, ComponentLink14URL=https://datasheet.ciiva.com/30155/eng-cs-1773408-1-pluggable-ixo-solutions-sfp-0409-30155864.pdf?src-supplier=Onlinecomponents.com, ComponentLink15Description=https://datasheet.ciiva.com/22652/1650946-22652219.pdf?src-supplier=Farnell, ComponentLink15URL=https://datasheet.ciiva.com/22652/1650946-22652219.pdf?src-supplier=Farnell, ComponentLink16Description=https://datasheet.ciiva.com/25908/eng-cs-1773408-1-pluggable-ixo-solutions-sfp-0409-25908701.pdf?src-supplier=Avnet+Europe, ComponentLink16URL=https://datasheet.ciiva.com/25908/eng-cs-1773408-1-pluggable-ixo-solutions-sfp-0409-25908701.pdf?src-supplier=Avnet+Europe, ComponentLink17Description=https://datasheet.ciiva.com/16469/eng-cs-1773408-1-pluggable-ixo-solutions-sfp-0409-16469439.pdf?src-supplier=Avnet+Asia, ComponentLink17URL=https://datasheet.ciiva.com/16469/eng-cs-1773408-1-pluggable-ixo-solutions-sfp-0409-16469439.pdf?src-supplier=Avnet+Asia, Connector Type=Receptacle,SFP, Contact Material=Bronze,Gold, Contact Plating=Gold, Data Rate=4Gbps, Depth=7.4mm, ELV=Compliant, Gender=Female, Housing Color=Black, Housing Material=Polymer, Lead Free="Lead Free", Length=11.2mm, Manufacturer Part Number 1=1367073-1, Material="Polymer,Liquid Crystal Polymer", Mount="Surface Mount", Number of Contacts=20, Number of Ports=1, Number of Positions=20, Number of Positions Loaded=20, Orientation="Right Angle", Packaging="Tape and Reel", Part Description="20 Position SFP Receptacle Connector Solder Surface Mount, Right Angle", Pitch=0.8mm, Plating Thickness=0.38um, Pricing 1="1=1,77000, 10=1,60800, 25=1,51000, 50=1,44440, 100=1,37870 (USD)", Radiation Hardening=No, REACH SVHC=Unknown, RoHS=Yes, Stock 1=16529, Supplier 1=Digi-Key, Termination=SMD/SMT
J30 J31: "Header, 2-Pin, Dual row", Manufacturer="Adam Equipment", Manufacturer Part Number 1=BHR-06-HUA, Supplier Part Number 1=2057-BHR-06-HUA-ND, Part Description="Connector Header Through Hole, Right Angle 6 position 0.100\" (2.54mm)", Pricing 1="1=0.3, 10=0.283, 100=0.198, 500=0.16968, 1000=0.1414, 5000=0.1212, 10000=0.11312 (USD)", Stock 1=1572, Supplier 1=Digi-Key
J34: library part Jumper, Color=White, Manufacturer="TE Connectivity AMP Connectors", Manufacturer Part Number 1=1744037-2, Supplier Part Number 1=A112698-ND, Category="Connectors, Interconnects", Connector Type="Header, Shrouded, 1 Wall", Contact Finish=Tin, Contact Type="Male Pin", Mounting Type="Through Hole", Part Description="Connector Header Through Hole 2 position 0.200\" (5.08mm)", Supplier 1=Digi-Key
J36: library part PCIe_PWR_HEADER_6PIN, Color=Black, Manufacturer="Molex Connector Corporation", Manufacturer Part Number 1=0455580003, Supplier Part Number 1=WM10869-ND, Category="Connectors, Interconnects", Connector Type="Header, Shrouded", Contact Finish=Tin, Contact Finish Thickness="100µin (2.54µm)", Contact Mating Length=-, Contact Type="Male Pin", Fastening Type="Locking Ramp", Features="Board Lock", Mounting Type="Through Hole, Right Angle", Number of Positions=6, Number of Positions Loaded=All, Number of Rows=2, Packaging=Tray, Part Description="6 Positions Header, Shrouded Connector 0.165\" (4.20mm) Through Hole, Right Angle Tin", Pitch="0.165\" (4.20mm)", RoHS="RoHS Compliant", Row Spacing="0.165\" (4.20mm)", Supplier 1=Digi-Key, Termination=Solder
L1 L2 L3 L4 L5 L6 L7 L8 L10 L12: library part Inductor, DC Resistance (DCR)="170 mOhm Max", Manufacturer="Pulse Electronics Network", Manufacturer Part Number 1=PE-0603CD180KTT, Operating Temperature="-40°C ~ 125°C", Package / Case="0603 (1608 Metric)", Q @ Freq="35 @ 180MHz", Ratings=-, Supplier Part Number 1=1840-1105-1-ND, Tolerance=±10%, Category="Inductors, Coils, Chokes", ComponentLink1Description=http://productfinder.pulseeng.com/products/datasheets/WC701.pdf, ComponentLink1URL=http://productfinder.pulseeng.com/products/datasheets/WC701.pdf, Height - Seated (Max)="0.040\" (1.02mm)", Material - Core=Ceramic, Mounting Type="Surface Mount", Packaging="Cut Tape (CT)", Part Description="18nH Unshielded Wirewound Inductor 700mA 170 mOhm Max 0603 (1608 Metric)", Part Status=Active, Pricing 1="1=0.41, 10=0.368, 100=0.253, 500=0.2162, 1000=0.1656 (USD)", RoHS="RoHS Compliant", Shielding=Unshielded, Size / Dimension="0.071\" L x 0.049\" W (1.80mm x 1.24mm)", Stock 1=14000, Supplier 1=Digi-Key, Supplier Device Package="0603 (1608 Metric)", Type=Wirewound
L9 L11: library part Inductor_0603, Case/Package=0805, Case Code (Metric)=2012, Current Rating=600mA, DC Resistance (DCR)=80mR, Inductance=15nH, Manufacturer=Bourns, Manufacturer Part Number 1=CW201212-15NJ, Max Operating Temperature=125°C, Min Operating Temperature=-40°C, Package Quantity=2000, Self Resonant Frequency=3.6GHz, Supplier Part Number 1=CW201212-15NJDKR-ND, Test Frequency=250MHz, Tolerance=5%, Case Code (Imperial)=0805, ComponentLink1Description=http://www.bourns.com/data/global/PDFs/CW201212.pdf?src-supplier=Avnet+Europe, ComponentLink1URL=http://www.bourns.com/data/global/PDFs/CW201212.pdf?src-supplier=Avnet+Europe, ComponentLink2Description=http://www.bourns.com/data/global/pdfs/CW201212.pdf?src-supplier=Digi-Key, ComponentLink2URL=http://www.bourns.com/data/global/pdfs/CW201212.pdf?src-supplier=Digi-Key, ComponentLink3Description=http://www.bourns.com/data/global/PDFs/CW201212.pdf?src-supplier=Avnet, ComponentLink3URL=http://www.bourns.com/data/global/PDFs/CW201212.pdf?src-supplier=Avnet, ComponentLink4Description=http://www.onlinecomponents.com/productFiles/mf-BO/cw201212.pdf?src-supplier=Onlinecomponents.com, ComponentLink4URL=http://www.onlinecomponents.com/productFiles/mf-BO/cw201212.pdf?src-supplier=Onlinecomponents.com, Composition=Wirewound,Ceramic, Core Material=Ceramic, DC Current=600mA, Depth=1.7mm, Height=0.051inch, Height - Seated (Max)=0.059inch, Length=0.083inch, Max DC Current=600mA, Military Standard=Not, Mount="Surface Mount", Packaging="Tape and Reel", Part Description="15nH Unshielded Wirewound Inductor 600mA 80mOhm 0805 (2012 Metric)", Pricing 1="1=0.37, 10=0.327, 100=0.2245, 500=0.19188, 1000=0.14697 (USD)", Q Factor=60, Radiation Hardening=No, Shielding=Unshielded, Stock 1=2733, Supplier 1=Digi-Key, Termination=SMD/SMT, Weight=0.000194oz, Width=1.5mm
L13: library part Inductor_0603, DC Current Rating=420, DC Resistance Max=0.58, High Frequency Inductor Case="0402 [1005 Metric]", Inductance=47, Inductance Tolerance="± 5%", Inductor Construction=Wirewound, Manufacturer=COILCRAFT, Manufacturer Part Number=0402HP-47NXJLU, Self Resonant Frequency Min=2.4, Supplier Part Number 1=2285856, Inductor Case Style="0402 [1005 Metric]", Manufacturer Part Number 1=0402HP-47NXJLU, Packaging="Cut Tape", Part Description="INDUCTOR, RF, 47NH, 5%, 2.4GHZ, SMD; Product Range:0402HP Series; Inductance:47nH; Inductance Tolerance:± 5%; High Frequency Inductor Case:0402 [1005 Metric]; Self Resonant Frequency Min:2.4GHz; DC Resistance Max:0.58ohm; DC Current Rating:420mA", Product Range=0402, RoHS=Y-EX, Supplier 1=Farnell, SVHC="No SVHC (15-Jun-2015)"
L14 L15 L16: library part Inductor_0603, Current - Saturation=24A, Current Rating=18A, DC Resistance (DCR)="5.78 mOhm Max", Frequency - Self Resonant=42MHz, Frequency - Test=100kHz, Manufacturer="Vishay Dale", Manufacturer Part Number 1=IHLP3232DZER1R0M01, Operating Temperature="-55°C ~ 125°C", Package / Case=Nonstandard, Q @ Freq=-, Supplier Part Number 1=541-1371-6-ND, Tolerance=±20%, Category="Inductors, Coils, Chokes", Height - Seated (Max)="0.158\" (4.00mm)", Inductance=1µH, Material - Core=-, Mounting Type="Surface Mount", Packaging=Digi-Reel®, Part Description="1µH Shielded Molded Inductor 18A 5.78 mOhm Max Nonstandard", RoHS="RoHS Compliant", Shielding=Shielded, Size / Dimension="0.340\" L x 0.322\" W (8.64mm x 8.18mm)", Supplier 1=Digi-Key, Supplier Device Package=-, Type=Molded
L17: library part Inductor_0603, Current - Saturation=27.5A, Current Rating=15A, DC Resistance (DCR)="5.8 mOhm Max", Frequency - Self Resonant=-, Frequency - Test=100kHz, Inductance=1.5µH, Manufacturer="Vishay Dale", Manufacturer Part Number 1=IHLP4040DZER1R5M01, Operating Temperature="-55°C ~ 125°C", Package / Case=Nonstandard, Supplier Part Number 1=541-1301-6-ND, Tolerance=±20%, Category="Inductors, Coils, Chokes", Height - Seated (Max)="0.158\" (4.00mm)", Material - Core=-, Mounting Type="Surface Mount", Packaging=Digi-Reel®, Part Description="FIXED IND 1.5UH 15A 5.8 MOHM SMD", Q @ Freq=-, RoHS="RoHS Compliant", Shielding=Shielded, Size / Dimension="0.430\" L x 0.405\" W (10.92mm x 10.30mm)", Supplier 1=Digi-Key, Supplier Device Package=-, Type=Molded
L18 L19: library part Inductor_0603, Current - Saturation=25.6A, Current Rating=12A, DC Resistance (DCR)="9 mOhm Max", Frequency - Self Resonant=-, Frequency - Test=100kHz, Manufacturer="Vishay Dale", Manufacturer Part Number 1=IHLP4040DZER2R2M01, Operating Temperature="-55°C ~ 125°C", Package / Case=Nonstandard, Supplier Part Number 1=541-1299-1-ND, Tolerance=±20%, Category="Inductors, Coils, Chokes", Height - Seated (Max)="0.158\" (4.00mm)", Inductance=2.2µH, Material - Core=-, Mounting Type="Surface Mount", Packaging="Cut Tape (CT)", Part Description="2.2µH Shielded Molded Inductor 12A 9 mOhm Max Nonstandard", Q @ Freq=-, RoHS="RoHS Compliant", Shielding=Shielded, Size / Dimension="0.430\" L x 0.405\" W (10.92mm x 10.30mm)", Supplier 1=Digi-Key, Supplier Device Package=-, Type=Molded
L20: library part Inductor_0603, Current - Saturation=18.6A, Current Rating=10A, DC Resistance (DCR)="14.4 mOhm Max", Frequency - Self Resonant=-, Frequency - Test=100kHz, Manufacturer="Vishay Dale", Manufacturer Part Number 1=IHLP4040DZER3R3M01, Operating Temperature="-55°C ~ 125°C", Package / Case=Nonstandard, Supplier Part Number 1=541-1298-1-ND, Tolerance=±20%, Category="Inductors, Coils, Chokes", Height - Seated (Max)="0.158\" (4.00mm)", Inductance=3.3µH, Material - Core=-, Mounting Type="Surface Mount", Packaging="Cut Tape (CT)", Part Description="3.3µH Shielded Molded Inductor 10A 14.4 mOhm Max Nonstandard", Q @ Freq=-, RoHS="RoHS Compliant", Shielding=Shielded, Size / Dimension="0.430\" L x 0.405\" W (10.92mm x 10.30mm)", Supplier 1=Digi-Key, Supplier Device Package=-, Type=Molded
LED1 LED2 LED3 LED4 LED5 LED6: library part LED_green_red_right_angle_v2, Case/Package=SMD/SMT, Color=Green,Red, Forward Current=25mA, Forward Voltage=1.7V, Lens Color=White, Manufacturer="Stanley Electric", Manufacturer Part Number 1=BRPY1211FTR, Max Operating Temperature=85°C, Min Operating Temperature=-40°C, Package Quantity=3000, Power Dissipation=70mW, Reverse Breakdown Voltage=4V, Supplier Part Number 1=BRPY1211F-TR, Test Current=20mA, ComponentLink1Description=https://datasheet.ciiva.com/2114/1211f-e-2114386.pdf?src-supplier=Digi-Key, ComponentLink1URL=https://datasheet.ciiva.com/2114/1211f-e-2114386.pdf?src-supplier=Digi-Key, Depth=2mm, Dominant Wavelength=647nm, Height=1.15mm, Lead Free="Lead Free", Length=3mm, Lens Style=Colorless, Lens Transparency=Diffused, Luminous Intensity=17.6mcd, Mount="Surface Mount", Number of Elements=2, Number of Pins=3, Packaging="Tape and Reel", Part Description="Green, Red 572nm Green, 647nm Red LED Indication - Discrete 2.1V Green, 1.7V Red 2-SMD, No Lead", Radiation Hardening=No, Reverse Voltage=4V, RoHS=Yes, Stock 1=0, Supplier 1="Arrow Electronics", Viewing Angle=143°, Wavelength=570nm, Width=2mm
MECH15 MECH16 MECH17 MECH18: library part "STANDOFF_M-F_THREADED_M3x8x10mm_HEX_5mm dia", "STANDOFF M/F MET 5MM HEX 10MM L", Colour=natural, Manufacturer=FIX&FASTEN, Manufacturer Part Number 1=FIX-MAE-5TV, Assembly Info=NF, Category="Plastic Pegs", Internal thread=M3, Material=polyamide, MinAmount=10, Multiples=10, Panel cutout diameter=3mm, Part Description="PCB distance; polyamide; L:5mm; Colour: natural; ¨cutout:3mm", Price Type=NET, Spacer length=5mm, Spanner size=5.5mm, SuppliedAmount=1000, Supplier 1=TME, Supplier Part Number 1=FIX-MAE-5TV, Thread pitch=0,5, Type of spacer="PCB distance", Unit=pcs, Weight=0.145
MECH19: library part SFPx1_Chassis, Manufacturer="TE Connectivity AMP", Supplier Part Number 1=A120616-ND, ComponentLink1Description=https://datasheet.ciiva.com/45236/eng-cd-2227302-1-45236428.pdf?src-supplier=Avnet, ComponentLink1URL=https://datasheet.ciiva.com/45236/eng-cd-2227302-1-45236428.pdf?src-supplier=Avnet, Data Rate=4Gbps, ELV=Compliant, Length=14.5mm, Manufacturer Part Number 1=2227302-1, Mount="Through Hole", Number of Ports=1, Packaging=Tray, Part Description="- Position SFP Cage Connector Press-Fit Through Hole, Right Angle", PCB Thickness=0.059inch, Pricing 1="1=1,43000, 10=1,26100, 25=1,18720, 40=1,13750, 192=1,08813, 384=0,98922, 576=0,89030, 960=0,79138, 2496=0,71718 (USD)", RoHS=Yes, RoHS Compliant=Yes, Stock 1=16113, Supplier 1=Digi-Key, Tail Length=3mm, Termination=Press-Fit
MN1 MN2 MN3 MN4 MN49 MN50 MN51 MN52 MN73 MN74 MN75 MN76: library part Inductor_0603, Manufacturer="Panasonic Electronic Components", Manufacturer Part Number=ERJ-3GEY0R00V, Operating Temperature="-55°C ~ 155°C", Package / Case="0603 (1608 Metric)", Power (Watts)="0.1W, 1/10W", Supplier Device Package=0603, Supplier Part Number 1=P0.0GCT-ND, Temperature Coefficient=-, Tolerance=Jumper, Category=Resistors, ComponentLink1Description=http://industrial.panasonic.com/www-cgi/jvcr13pz.cgi?E+PZ+3+AOA0001+ERJ3GEY0R00V+7+WW, ComponentLink1URL=http://industrial.panasonic.com/www-cgi/jvcr13pz.cgi?E+PZ+3+AOA0001+ERJ3GEY0R00V+7+WW, Composition="Thick Film", Failure Rate=-, Features="Automotive AEC-Q200", Height - Seated (Max)="0.022\" (0.55mm)", Manufacturer Part Number 1=ERJ-3GEY0R00V, Packaging="Cut Tape (CT)", Part Description="0 Ohms Jumper 0.1W, 1/10W Chip Resistor 0603 (1608 Metric) Automotive AEC-Q200 Thick Film", Part Status=Active, Pricing 1="1=0.1, 10=0.04, 25=0.0292, 50=0.0222, 100=0.0164, 250=0.01252, 500=0.01002, 1000=0.00737 (USD)", RoHS="RoHS Compliant", Size / Dimension="0.063\" L x 0.032\" W (1.60mm x 0.80mm)", Stock 1=31663129, Supplier 1=Digi-Key